# KiCad board panel.kicad_pcb (continued)
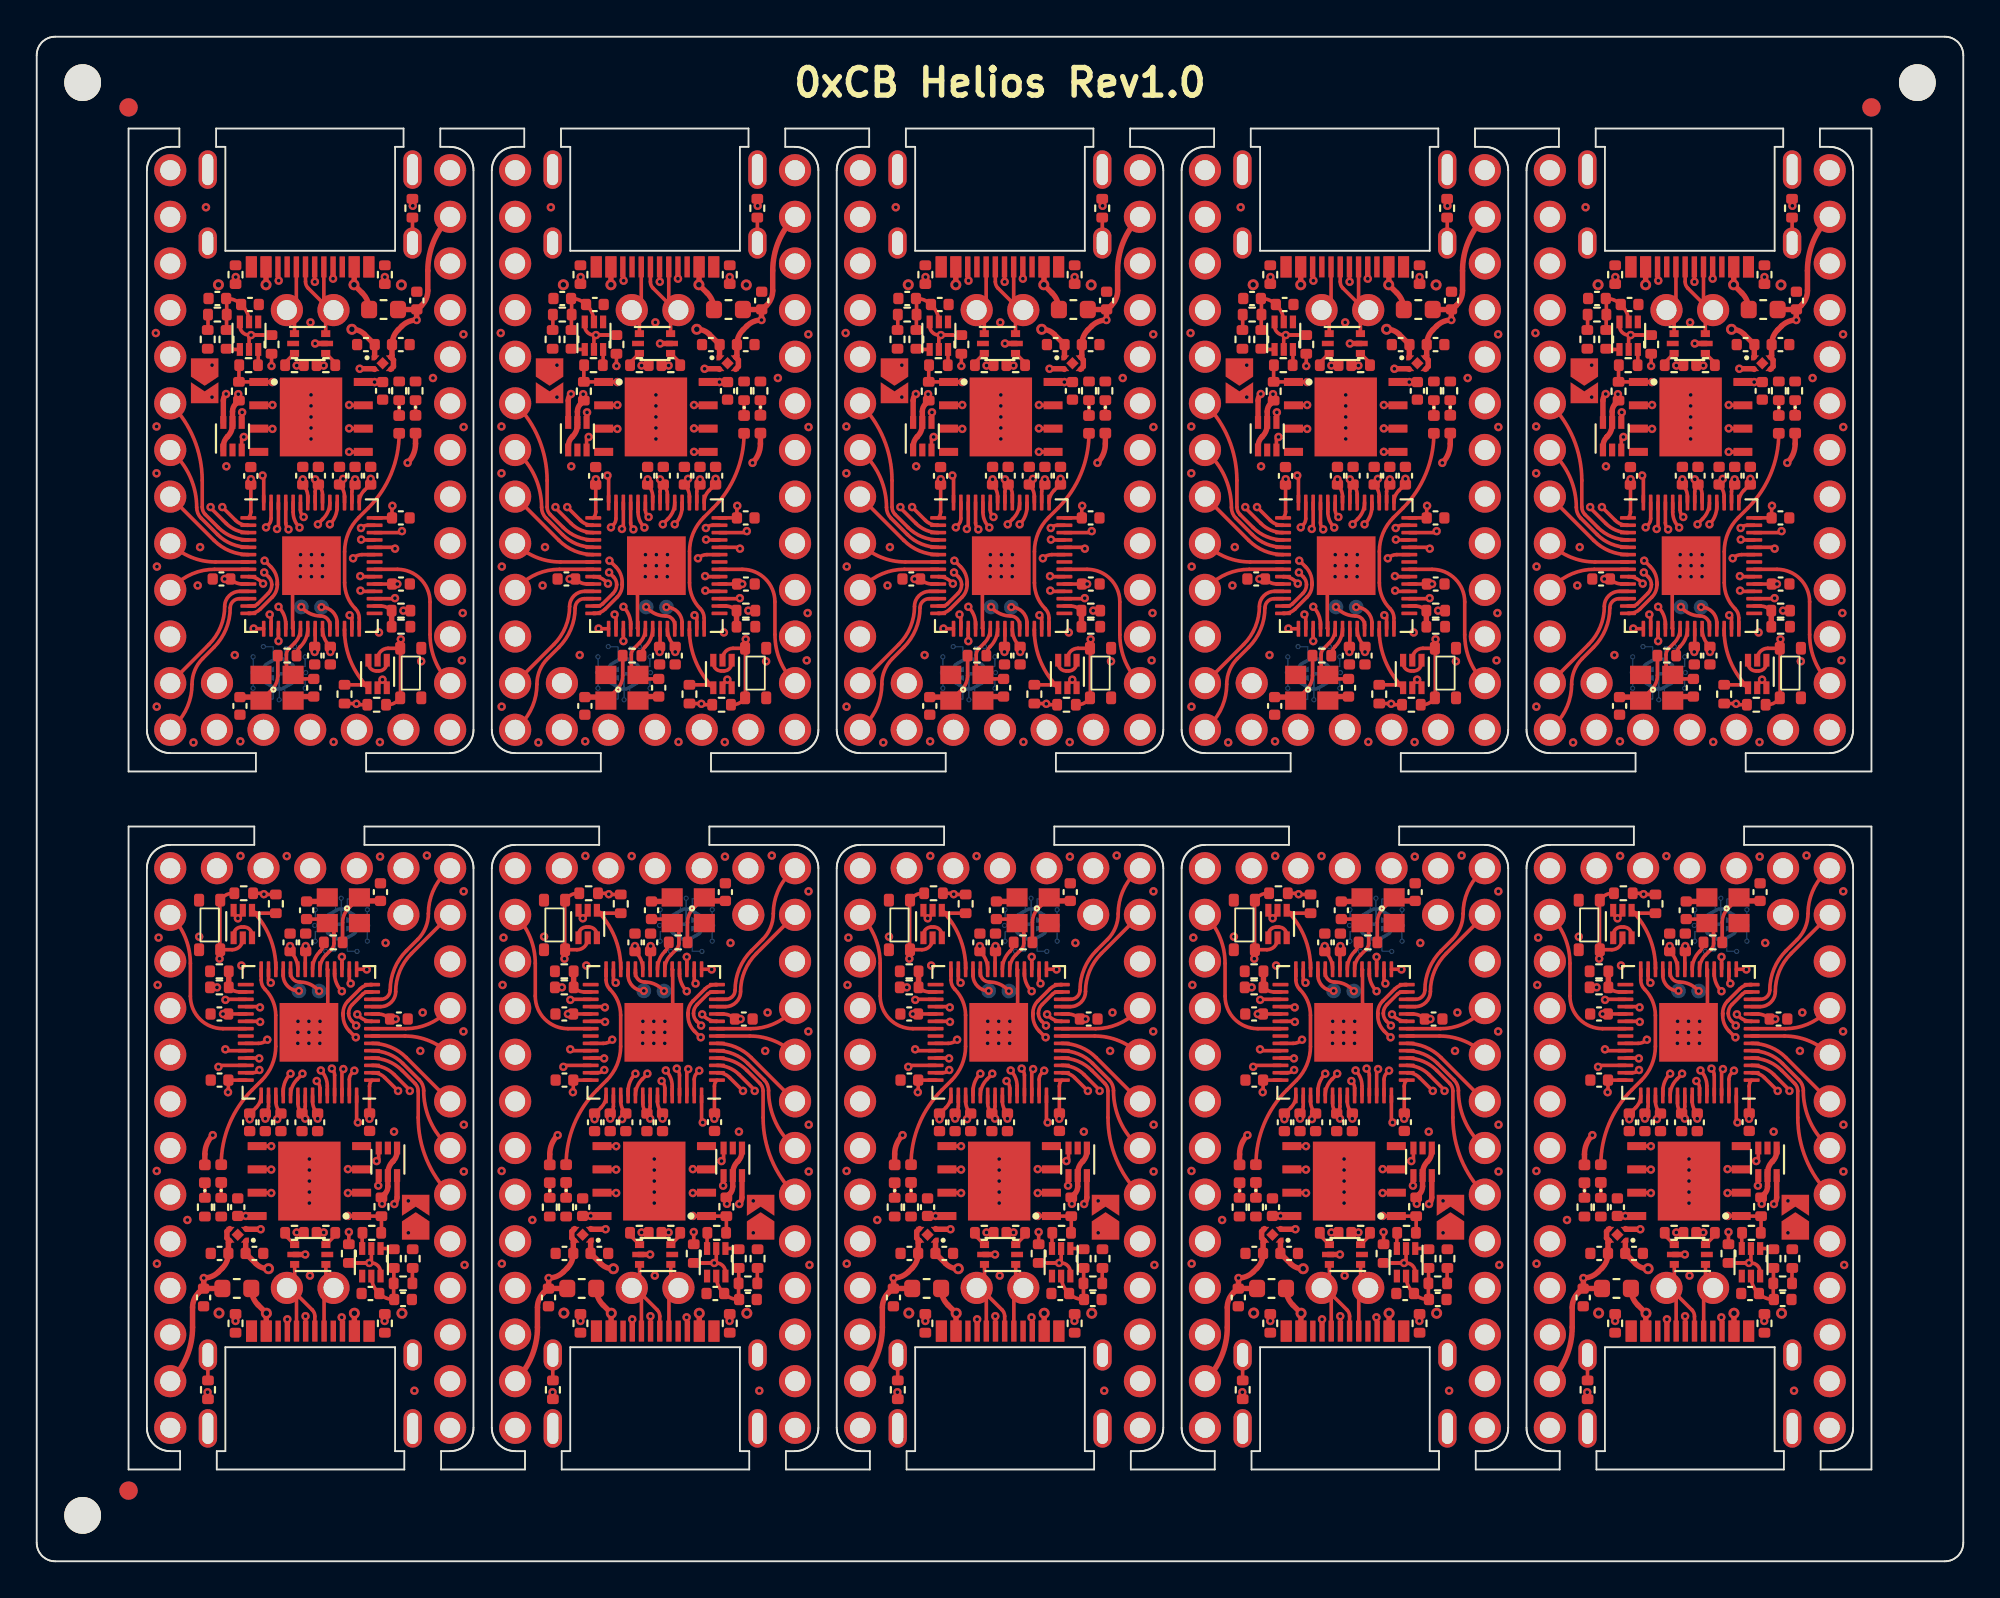
[diagram p0: board, top side]
## Copper pours and planes (outline as drawn; the poured copper is in the pictures) (continued)
Board_2-/0_TX0 on In1.Cu: 45.64,71.65 45.55,71.82 45.49,71.98 45.47,72.12 45.47,72.26 45.5,72.38 45.54,72.51 45.58,72.65 45.63,72.8 45.67,72.96 45.7,73.15 44.68,73.64 44.22,72.6 44.37,72.46 44.51,72.36 44.64,72.28 44.88,72.14 44.99,72.06 45.11,71.97 45.23,71.86 45.35,71.72 45.48,71.54
Board_2-/1_RX0 on In1.Cu: 45.83,69.24 45.77,69.45 45.74,69.64 45.72,69.8 45.72,69.95 45.72,70.08 45.73,70.22 45.74,70.36 45.74,70.51 45.72,70.68 45.69,70.88 44.56,71.03 44.45,69.9 44.61,69.83 44.76,69.79 44.91,69.75 45.05,69.72 45.17,69.69 45.29,69.64 45.39,69.57 45.49,69.48 45.57,69.35 45.64,69.17
Board_2-/2_SDA1 on Top: 45.96,61.71 45.86,61.91 45.8,62.08 45.77,62.24 45.75,62.38 45.75,62.51 45.75,62.64 45.75,62.78 45.74,62.93 45.72,63.1 45.68,63.3 44.54,63.4 44.48,62.27 44.65,62.2 44.81,62.16 44.96,62.13 45.1,62.11 45.23,62.09 45.35,62.05 45.46,61.99 45.57,61.91 45.68,61.78 45.78,61.62
Board_2-/3_SCL1 on Top: 45.97,59.18 45.89,59.38 45.83,59.56 45.79,59.71 45.77,59.85 45.77,59.99 45.76,60.12 45.76,60.26 45.75,60.4 45.72,60.57 45.67,60.76 44.54,60.86 44.49,59.72 44.66,59.66 44.82,59.62 44.97,59.6 45.11,59.58 45.25,59.56 45.37,59.53 45.49,59.47 45.6,59.39 45.7,59.26 45.79,59.09
Board_2-/4 on Top: 46.14,56.83 46,56.98 45.9,57.12 45.84,57.26 45.8,57.39 45.78,57.51 45.77,57.65 45.76,57.78 45.74,57.93 45.71,58.1 45.66,58.28 44.52,58.3 44.54,57.16 44.72,57.11 44.89,57.08 45.04,57.06 45.17,57.05 45.31,57.04 45.43,57.02 45.56,56.98 45.7,56.92 45.84,56.82 45.99,56.68
Board_2-/5 on Top: 46.35,54.66 46.18,54.73 46.05,54.81 45.95,54.9 45.88,55 45.84,55.12 45.8,55.24 45.77,55.38 45.73,55.52 45.68,55.68 45.62,55.84 44.48,55.72 44.65,54.59 44.85,54.56 45.02,54.54 45.17,54.54 45.31,54.55 45.44,54.56 45.58,54.57 45.73,54.57 45.89,54.56 46.08,54.53 46.3,54.47
Board_2-/6 on Top: 46.24,53.97 46.03,53.91 45.84,53.87 45.68,53.85 45.54,53.84 45.41,53.84 45.27,53.84 45.14,53.83 44.99,53.82 44.82,53.8 44.62,53.76 44.49,52.63 45.63,52.55 45.69,52.71 45.73,52.87 45.76,53.02 45.79,53.16 45.81,53.3 45.85,53.42 45.91,53.53 46,53.62 46.13,53.71 46.31,53.78
Board_2-/7 on In2.Cu: 46.52,50.76 46.33,50.7 46.17,50.69 46.04,50.7 45.91,50.74 45.8,50.8 45.69,50.87 45.58,50.95 45.45,51.03 45.31,51.11 45.14,51.19 44.39,50.33 45.28,49.62 45.44,49.72 45.58,49.83 45.69,49.93 45.78,50.03 45.88,50.13 45.97,50.22 46.08,50.31 46.22,50.4 46.38,50.49 46.59,50.57
Board_2-/8 on Top: 45.99,49.14 45.84,49 45.7,48.9 45.56,48.84 45.43,48.8 45.31,48.78 45.17,48.77 45.04,48.76 44.89,48.74 44.72,48.71 44.54,48.66 44.52,47.52 45.66,47.54 45.71,47.72 45.74,47.89 45.76,48.04 45.77,48.17 45.78,48.31 45.8,48.43 45.84,48.56 45.9,48.7 46,48.84 46.14,48.99
Board_2-/9 on Top: 45.74,46.75 45.66,46.57 45.57,46.45 45.47,46.36 45.36,46.3 45.23,46.26 45.1,46.24 44.96,46.22 44.81,46.19 44.65,46.15 44.48,46.09 44.55,44.96 45.68,45.07 45.72,45.26 45.75,45.43 45.76,45.58 45.77,45.72 45.77,45.85 45.77,45.98 45.79,46.13 45.81,46.29 45.86,46.47 45.93,46.68
Board_2-/10 on In2.Cu: 45.88,74.35 45.8,74.56 45.76,74.74 45.74,74.9 45.73,75.04 45.73,75.18 45.74,75.31 45.74,75.45 45.74,75.6 45.72,75.77 45.68,75.97 44.55,76.11 44.46,74.98 44.62,74.91 44.78,74.86 44.93,74.83 45.06,74.8 45.19,74.77 45.31,74.73 45.42,74.67 45.52,74.57 45.61,74.45 45.69,74.27
Board_2-/11 on In1.Cu: 59.22,74.27 59.3,74.44 59.39,74.57 59.49,74.66 59.59,74.73 59.71,74.77 59.84,74.8 59.98,74.83 60.12,74.86 60.28,74.91 60.44,74.98 60.35,76.11 59.22,75.97 59.18,75.77 59.16,75.6 59.16,75.45 59.16,75.31 59.17,75.18 59.17,75.04 59.17,74.9 59.15,74.74 59.1,74.55 59.03,74.34
Board_2-/12 on In1.Cu: 48.35,46.73 48.24,46.56 48.13,46.44 48.02,46.36 47.9,46.31 47.78,46.27 47.65,46.25 47.51,46.23 47.36,46.2 47.2,46.16 47.03,46.1 47.08,44.96 48.21,45.06 48.26,45.25 48.28,45.42 48.29,45.57 48.29,45.84 48.3,45.97 48.32,46.11 48.36,46.26 48.42,46.43 48.53,46.63
Board_2-/13 on In1.Cu: 49.81,47.04 49.8,46.83 49.77,46.66 49.72,46.52 49.65,46.4 49.58,46.3 49.49,46.2 49.4,46.09 49.31,45.97 49.21,45.84 49.12,45.67 49.91,44.85 50.7,45.67 50.61,45.84 50.51,45.97 50.42,46.09 50.33,46.2 50.24,46.3 50.17,46.4 50.1,46.52 50.05,46.66 50.02,46.83 50.01,47.04
Board_2-/14 on In1.Cu: 51.32,46.65 51.42,46.45 51.48,46.28 51.51,46.12 51.53,45.98 51.54,45.85 51.53,45.72 51.53,45.58 51.54,45.43 51.56,45.26 51.6,45.06 52.74,44.96 52.8,46.09 52.63,46.16 52.47,46.2 52.32,46.23 52.18,46.25 52.05,46.27 51.93,46.31 51.82,46.37 51.71,46.45 51.6,46.58 51.5,46.74
Board_2-/15 on In1.Cu: 53.68,46.45 53.82,46.3 53.92,46.16 53.98,46.02 54.02,45.89 54.04,45.77 54.05,45.63 54.06,45.5 54.08,45.35 54.11,45.18 54.16,45 55.3,44.98 55.28,46.12 55.1,46.17 54.93,46.2 54.78,46.22 54.65,46.23 54.51,46.24 54.39,46.26 54.26,46.3 54.12,46.36 53.98,46.46 53.83,46.6
Board_2-/16 on In1.Cu: 56.24,46.51 56.37,46.34 56.46,46.18 56.52,46.04 56.55,45.9 56.57,45.77 56.58,45.64 56.59,45.5 56.61,45.36 56.65,45.19 56.7,45 57.84,44.98 57.82,46.12 57.64,46.17 57.47,46.2 57.32,46.21 57.18,46.22 57.05,46.24 56.92,46.26 56.79,46.3 56.67,46.37 56.54,46.48 56.4,46.63
Board_2-/20_SDI on In1.Cu: 58.76,51.53 58.9,51.38 59,51.24 59.06,51.1 59.1,50.97 59.12,50.85 59.13,50.71 59.14,50.58 59.16,50.43 59.19,50.26 59.24,50.08 60.38,50.06 60.36,51.2 60.18,51.25 60.01,51.28 59.86,51.3 59.73,51.31 59.59,51.32 59.47,51.34 59.34,51.38 59.2,51.44 59.06,51.54 58.91,51.68
Board_2-/21_CS on In1.Cu: 58.76,46.45 58.9,46.3 59,46.16 59.06,46.02 59.1,45.89 59.12,45.77 59.13,45.63 59.14,45.5 59.16,45.35 59.19,45.18 59.24,45 60.38,44.98 60.36,46.12 60.18,46.17 60.01,46.2 59.86,46.22 59.73,46.23 59.59,46.24 59.47,46.26 59.34,46.3 59.2,46.36 59.06,46.46 58.91,46.6
Board_2-/22_SCK on In1.Cu: 58.51,53.58 58.69,53.54 58.82,53.48 58.92,53.4 58.99,53.31 59.05,53.2 59.09,53.08 59.13,52.94 59.17,52.8 59.23,52.65 59.3,52.49 60.43,52.65 60.19,53.78 59.99,53.8 59.82,53.81 59.67,53.8 59.53,53.79 59.26,53.76 59.12,53.75 58.95,53.74 58.76,53.75 58.54,53.78
Board_2-/23_SDO on Top: 59.06,49.28 59.13,49.07 59.16,48.88 59.18,48.72 59.18,48.57 59.18,48.44 59.17,48.3 59.16,48.16 59.16,48.01 59.18,47.84 59.21,47.64 60.34,47.49 60.45,48.62 60.29,48.69 60.13,48.73 59.99,48.77 59.85,48.8 59.73,48.83 59.61,48.88 59.5,48.95 59.41,49.04 59.33,49.17 59.25,49.34
Board_2-/A0 on In1.Cu: 58.36,55.06 58.59,55.04 58.78,55.01 58.94,54.97 59.08,54.91 59.2,54.85 59.33,54.78 59.46,54.72 59.6,54.66 59.77,54.61 59.97,54.58 60.48,55.6 59.45,56.07 59.33,55.94 59.24,55.82 59.08,55.6 59,55.5 58.91,55.42 58.81,55.35 58.69,55.3 58.55,55.27 58.36,55.26
Board_2-/A1 on In1.Cu: 58.91,56.68 59.06,56.82 59.2,56.92 59.34,56.98 59.47,57.02 59.59,57.04 59.73,57.05 59.86,57.06 60.01,57.08 60.18,57.11 60.36,57.16 60.38,58.3 59.24,58.28 59.19,58.1 59.16,57.93 59.14,57.78 59.13,57.65 59.12,57.51 59.1,57.39 59.06,57.26 59,57.12 58.9,56.98 58.76,56.83
Board_2-/A2 on In1.Cu: 58.91,59.22 59.06,59.36 59.2,59.46 59.34,59.52 59.47,59.56 59.59,59.58 59.73,59.59 59.86,59.6 60.01,59.62 60.18,59.65 60.36,59.7 60.38,60.84 59.24,60.82 59.19,60.64 59.16,60.47 59.14,60.32 59.13,60.19 59.12,60.05 59.1,59.93 59.06,59.8 59,59.66 58.9,59.52 58.76,59.37
Board_2-/A3 on In1.Cu: 58.92,61.42 58.97,61.64 59.05,61.8 59.15,61.91 59.27,61.99 59.42,62.05 59.58,62.08 59.76,62.11 59.95,62.14 60.15,62.18 60.36,62.24 60.38,63.38 59.2,63.19 59.16,62.98 59.12,62.79 59.07,62.64 59.02,62.49 58.97,62.36 58.91,62.22 58.86,62.07 58.81,61.9 58.76,61.69 58.72,61.45
Board_2-/PORT+ on Top: 51.59,69.74 51.58,69.58 51.55,69.46 51.5,69.35 51.43,69.27 51.35,69.2 51.25,69.15 51.14,69.1 51.02,69.04 50.9,68.99 50.76,68.92 50.92,67.79 52.06,68.15 52.05,68.35 52.03,68.51 52,68.66 51.96,68.79 51.93,68.91 51.89,69.04 51.85,69.18 51.82,69.33 51.8,69.52 51.8,69.74
Board_2-/PORT+ on Top: 51.69,66.87 51.7,67 51.71,67.12 51.73,67.22 51.76,67.32 51.79,67.4 51.82,67.48 51.86,67.55 51.96,67.75 50.97,68.54 51.08,67.28 51.13,67.27 51.18,67.26 51.24,67.24 51.29,67.21 51.34,67.18 51.39,67.13 51.43,67.08 51.47,67.02 51.49,66.95 51.5,66.87
Board_2-/PORT+ on In1.Cu: 52.43,69.38 52.28,69.24 52.14,69.15 52.01,69.09 51.89,69.06 51.76,69.05 51.63,69.05 51.5,69.05 51.35,69.05 51.19,69.04 51,69.01 50.83,67.88 51.96,67.76 52.04,67.94 52.09,68.1 52.13,68.25 52.18,68.52 52.21,68.65 52.25,68.79 52.32,68.93 52.43,69.07 52.57,69.24
Board_2-/PORT- on Top: 53.39,66.87 53.4,66.95 53.42,67.02 53.46,67.08 53.5,67.13 53.55,67.18 53.6,67.21 53.66,67.24 53.71,67.26 53.76,67.27 53.81,67.28 53.93,68.53 52.94,67.76 53.04,67.56 53.07,67.49 53.11,67.41 53.13,67.32 53.16,67.22 53.18,67.12 53.19,67 53.19,66.87
Board_2-/PORT- on Top: 53.09,69.73 53.09,69.51 53.07,69.33 53.04,69.17 53.01,69.03 52.97,68.91 52.93,68.78 52.9,68.65 52.87,68.51 52.85,68.35 52.84,68.15 53.98,67.8 54.12,68.93 53.99,68.99 53.86,69.05 53.74,69.1 53.64,69.15 53.54,69.2 53.46,69.27 53.39,69.35 53.34,69.45 53.31,69.57 53.3,69.73
Board_2-/PORT- on Top: 52.32,69.22 52.47,69.06 52.57,68.91 52.64,68.77 52.69,68.64 52.72,68.51 52.77,68.23 52.81,68.08 52.86,67.92 52.94,67.74 54.07,67.89 53.88,69.01 53.7,69.04 53.54,69.04 53.39,69.04 53.26,69.04 53.13,69.04 53,69.05 52.88,69.08 52.75,69.14 52.61,69.23 52.46,69.36
Board_2-/RESET on In2.Cu: 59.15,66.68 59.24,66.85 59.34,66.98 59.45,67.06 59.56,67.12 59.68,67.16 59.81,67.19 59.95,67.21 60.1,67.24 60.26,67.28 60.43,67.35 60.35,68.48 59.22,68.37 59.18,68.17 59.16,68 59.15,67.85 59.16,67.71 59.16,67.58 59.16,67.45 59.14,67.3 59.11,67.15 59.05,66.97 58.97,66.77
Board_2-/RGB_5V on In2.Cu: 47.66,49.57 47.56,49.37 47.46,49.21 47.36,49.09 47.26,48.98 47.16,48.89 47.06,48.8 46.96,48.7 46.85,48.59 46.75,48.46 46.63,48.29 47.33,47.39 48.2,48.12 48.13,48.29 48.05,48.43 47.97,48.56 47.9,48.68 47.83,48.79 47.78,48.9 47.75,49.02 47.74,49.16 47.77,49.31 47.84,49.49
Board_2-GND on Top, Bottom: 40.28,81.23 64.78,81.23 64.78,41.73 40.28,41.73
Board_2-Net-(C8-Pad2) on Top: 48.8,46.92 48.9,46.92 48.98,46.9 49.05,46.88 49.11,46.85 49.16,46.82 49.2,46.77 49.25,46.72 49.34,46.61 49.4,46.54 50,46.79 49.74,47.38 49.62,47.37 49.53,47.35 49.44,47.33 49.37,47.31 49.29,47.29 49.22,47.27 49.13,47.25 49.04,47.23 48.93,47.22 48.8,47.22
Board_2-Net-(C8-Pad2) on Top: 50.53,47.93 50.48,47.79 50.41,47.69 50.34,47.61 50.26,47.55 50.17,47.51 50.08,47.47 49.97,47.45 49.86,47.42 49.74,47.39 49.61,47.35 49.59,46.7 50.24,46.72 50.29,46.86 50.34,46.98 50.39,47.08 50.43,47.18 50.52,47.36 50.56,47.46 50.61,47.57 50.67,47.7 50.72,47.87
Board_2-Net-(FB1-Pad1) on Top: 57.92,72.79 57.91,72.68 57.9,72.58 57.87,72.5 57.84,72.43 57.81,72.37 57.76,72.31 57.72,72.25 57.67,72.19 57.62,72.11 57.57,72.02 58.02,71.55 58.47,72.02 58.42,72.11 58.37,72.19 58.32,72.25 58.28,72.31 58.23,72.37 58.2,72.43 58.17,72.5 58.14,72.58 58.13,72.68 58.12,72.79
Board_3-+3V3 on In1.Cu, In2.Cu: 58.06,80.23 82.56,80.23 82.56,40.73 58.06,40.73
Board_3-+5V on Top: 78.04,71.71 78.12,71.88 78.21,72.01 78.3,72.11 78.41,72.17 78.52,72.22 78.64,72.26 78.77,72.29 78.91,72.32 79.06,72.37 79.22,72.44 79.13,73.57 78,73.43 77.96,73.23 77.94,73.07 77.93,72.92 77.93,72.78 77.93,72.65 77.92,72.51 77.91,72.37 77.88,72.21 77.84,72.03 77.76,71.82
Board_3-/0_TX0 on In1.Cu: 64.42,71.65 64.33,71.82 64.27,71.98 64.25,72.12 64.25,72.26 64.28,72.38 64.32,72.51 64.36,72.65 64.41,72.8 64.45,72.96 64.48,73.15 63.46,73.64 63,72.6 63.15,72.46 63.29,72.36 63.42,72.28 63.66,72.14 63.77,72.06 63.89,71.97 64.01,71.86 64.13,71.72 64.26,71.54
Board_3-/1_RX0 on In1.Cu: 64.61,69.24 64.55,69.45 64.52,69.64 64.5,69.8 64.5,69.95 64.5,70.08 64.51,70.22 64.52,70.36 64.52,70.51 64.5,70.68 64.47,70.88 63.34,71.03 63.23,69.9 63.39,69.83 63.54,69.79 63.69,69.75 63.83,69.72 63.95,69.69 64.07,69.64 64.17,69.57 64.27,69.48 64.35,69.35 64.42,69.17
Board_3-/2_SDA1 on Top: 64.74,61.71 64.64,61.91 64.58,62.08 64.55,62.24 64.53,62.38 64.53,62.51 64.53,62.64 64.53,62.78 64.52,62.93 64.5,63.1 64.46,63.3 63.32,63.4 63.26,62.27 63.43,62.2 63.59,62.16 63.74,62.13 63.88,62.11 64.01,62.09 64.13,62.05 64.24,61.99 64.35,61.91 64.46,61.78 64.56,61.62
Board_3-/3_SCL1 on Top: 64.75,59.18 64.67,59.38 64.61,59.56 64.57,59.71 64.55,59.85 64.55,59.99 64.54,60.12 64.54,60.26 64.53,60.4 64.5,60.57 64.45,60.76 63.32,60.86 63.27,59.72 63.44,59.66 63.6,59.62 63.75,59.6 63.89,59.58 64.03,59.56 64.15,59.53 64.27,59.47 64.38,59.39 64.48,59.26 64.57,59.09
Board_3-/4 on Top: 64.92,56.83 64.78,56.98 64.68,57.12 64.62,57.26 64.58,57.39 64.56,57.51 64.55,57.65 64.54,57.78 64.52,57.93 64.49,58.1 64.44,58.28 63.3,58.3 63.32,57.16 63.5,57.11 63.67,57.08 63.82,57.06 63.95,57.05 64.09,57.04 64.21,57.02 64.34,56.98 64.48,56.92 64.62,56.82 64.77,56.68
Board_3-/5 on Top: 65.13,54.66 64.96,54.73 64.83,54.81 64.73,54.9 64.66,55 64.62,55.12 64.58,55.24 64.55,55.38 64.51,55.52 64.46,55.68 64.4,55.84 63.26,55.72 63.43,54.59 63.63,54.56 63.8,54.54 63.95,54.54 64.09,54.55 64.22,54.56 64.36,54.57 64.51,54.57 64.67,54.56 64.86,54.53 65.08,54.47
Board_3-/6 on Top: 65.02,53.97 64.81,53.91 64.62,53.87 64.46,53.85 64.32,53.84 64.19,53.84 64.05,53.84 63.92,53.83 63.77,53.82 63.6,53.8 63.4,53.76 63.27,52.63 64.41,52.55 64.47,52.71 64.51,52.87 64.54,53.02 64.57,53.16 64.59,53.3 64.63,53.42 64.69,53.53 64.78,53.62 64.91,53.71 65.09,53.78
Board_3-/7 on In2.Cu: 65.3,50.76 65.11,50.7 64.95,50.69 64.82,50.7 64.69,50.74 64.58,50.8 64.47,50.87 64.36,50.95 64.23,51.03 64.09,51.11 63.92,51.19 63.17,50.33 64.06,49.62 64.22,49.72 64.36,49.83 64.47,49.93 64.56,50.03 64.66,50.13 64.75,50.22 64.86,50.31 65,50.4 65.16,50.49 65.37,50.57
Board_3-/8 on Top: 64.77,49.14 64.62,49 64.48,48.9 64.34,48.84 64.21,48.8 64.09,48.78 63.95,48.77 63.82,48.76 63.67,48.74 63.5,48.71 63.32,48.66 63.3,47.52 64.44,47.54 64.49,47.72 64.52,47.89 64.54,48.04 64.55,48.17 64.56,48.31 64.58,48.43 64.62,48.56 64.68,48.7 64.78,48.84 64.92,48.99
Board_3-/9 on Top: 64.52,46.75 64.44,46.57 64.35,46.45 64.25,46.36 64.14,46.3 64.01,46.26 63.88,46.24 63.74,46.22 63.59,46.19 63.43,46.15 63.26,46.09 63.33,44.96 64.46,45.07 64.5,45.26 64.53,45.43 64.54,45.58 64.55,45.72 64.55,45.85 64.55,45.98 64.57,46.13 64.59,46.29 64.64,46.47 64.71,46.68
Board_3-/10 on In2.Cu: 64.66,74.35 64.58,74.56 64.54,74.74 64.52,74.9 64.51,75.04 64.51,75.18 64.52,75.31 64.52,75.45 64.52,75.6 64.5,75.77 64.46,75.97 63.33,76.11 63.24,74.98 63.4,74.91 63.56,74.86 63.71,74.83 63.84,74.8 63.97,74.77 64.09,74.73 64.2,74.67 64.3,74.57 64.39,74.45 64.47,74.27
Board_3-/11 on In1.Cu: 78,74.27 78.08,74.44 78.17,74.57 78.27,74.66 78.37,74.73 78.49,74.77 78.62,74.8 78.76,74.83 78.9,74.86 79.06,74.91 79.22,74.98 79.13,76.11 78,75.97 77.96,75.77 77.94,75.6 77.94,75.45 77.94,75.31 77.95,75.18 77.95,75.04 77.95,74.9 77.93,74.74 77.88,74.55 77.81,74.34
Board_3-/12 on In1.Cu: 67.13,46.73 67.02,46.56 66.91,46.44 66.8,46.36 66.68,46.31 66.56,46.27 66.43,46.25 66.29,46.23 66.14,46.2 65.98,46.16 65.81,46.1 65.86,44.96 66.99,45.06 67.04,45.25 67.06,45.42 67.07,45.57 67.07,45.84 67.08,45.97 67.1,46.11 67.14,46.26 67.2,46.43 67.31,46.63
Board_3-/13 on In1.Cu: 68.59,47.04 68.58,46.83 68.55,46.66 68.5,46.52 68.43,46.4 68.36,46.3 68.27,46.2 68.18,46.09 68.09,45.97 67.99,45.84 67.9,45.67 68.69,44.85 69.48,45.67 69.39,45.84 69.29,45.97 69.2,46.09 69.11,46.2 69.02,46.3 68.95,46.4 68.88,46.52 68.83,46.66 68.8,46.83 68.79,47.04
Board_3-/14 on In1.Cu: 70.1,46.65 70.2,46.45 70.26,46.28 70.29,46.12 70.31,45.98 70.32,45.85 70.31,45.72 70.31,45.58 70.32,45.43 70.34,45.26 70.38,45.06 71.52,44.96 71.58,46.09 71.41,46.16 71.25,46.2 71.1,46.23 70.96,46.25 70.83,46.27 70.71,46.31 70.6,46.37 70.49,46.45 70.38,46.58 70.28,46.74
Board_3-/15 on In1.Cu: 72.46,46.45 72.6,46.3 72.7,46.16 72.76,46.02 72.8,45.89 72.82,45.77 72.83,45.63 72.84,45.5 72.86,45.35 72.89,45.18 72.94,45 74.08,44.98 74.06,46.12 73.88,46.17 73.71,46.2 73.56,46.22 73.43,46.23 73.29,46.24 73.17,46.26 73.04,46.3 72.9,46.36 72.76,46.46 72.61,46.6
Board_3-/16 on In1.Cu: 75.02,46.51 75.15,46.34 75.24,46.18 75.3,46.04 75.33,45.9 75.35,45.77 75.36,45.64 75.37,45.5 75.39,45.36 75.43,45.19 75.48,45 76.62,44.98 76.6,46.12 76.42,46.17 76.25,46.2 76.1,46.21 75.96,46.22 75.83,46.24 75.7,46.26 75.57,46.3 75.45,46.37 75.32,46.48 75.18,46.63
Board_3-/20_SDI on In1.Cu: 77.54,51.53 77.68,51.38 77.78,51.24 77.84,51.1 77.88,50.97 77.9,50.85 77.91,50.71 77.92,50.58 77.94,50.43 77.97,50.26 78.02,50.08 79.16,50.06 79.14,51.2 78.96,51.25 78.79,51.28 78.64,51.3 78.51,51.31 78.37,51.32 78.25,51.34 78.12,51.38 77.98,51.44 77.84,51.54 77.69,51.68
Board_3-/21_CS on In1.Cu: 77.54,46.45 77.68,46.3 77.78,46.16 77.84,46.02 77.88,45.89 77.9,45.77 77.91,45.63 77.92,45.5 77.94,45.35 77.97,45.18 78.02,45 79.16,44.98 79.14,46.12 78.96,46.17 78.79,46.2 78.64,46.22 78.51,46.23 78.37,46.24 78.25,46.26 78.12,46.3 77.98,46.36 77.84,46.46 77.69,46.6
Board_3-/22_SCK on In1.Cu: 77.29,53.58 77.47,53.54 77.6,53.48 77.7,53.4 77.77,53.31 77.83,53.2 77.87,53.08 77.91,52.94 77.95,52.8 78.01,52.65 78.08,52.49 79.21,52.65 78.97,53.78 78.77,53.8 78.6,53.81 78.45,53.8 78.31,53.79 78.04,53.76 77.9,53.75 77.73,53.74 77.54,53.75 77.32,53.78
Board_3-/23_SDO on Top: 77.84,49.28 77.91,49.07 77.94,48.88 77.96,48.72 77.96,48.57 77.96,48.44 77.95,48.3 77.94,48.16 77.94,48.01 77.96,47.84 77.99,47.64 79.12,47.49 79.23,48.62 79.07,48.69 78.91,48.73 78.77,48.77 78.63,48.8 78.51,48.83 78.39,48.88 78.28,48.95 78.19,49.04 78.11,49.17 78.03,49.34
Board_3-/A0 on In1.Cu: 77.14,55.06 77.37,55.04 77.56,55.01 77.72,54.97 77.86,54.91 77.98,54.85 78.11,54.78 78.24,54.72 78.38,54.66 78.55,54.61 78.75,54.58 79.26,55.6 78.23,56.07 78.11,55.94 78.02,55.82 77.86,55.6 77.78,55.5 77.69,55.42 77.59,55.35 77.47,55.3 77.33,55.27 77.14,55.26
Board_3-/A1 on In1.Cu: 77.69,56.68 77.84,56.82 77.98,56.92 78.12,56.98 78.25,57.02 78.37,57.04 78.51,57.05 78.64,57.06 78.79,57.08 78.96,57.11 79.14,57.16 79.16,58.3 78.02,58.28 77.97,58.1 77.94,57.93 77.92,57.78 77.91,57.65 77.9,57.51 77.88,57.39 77.84,57.26 77.78,57.12 77.68,56.98 77.54,56.83
Board_3-/A2 on In1.Cu: 77.69,59.22 77.84,59.36 77.98,59.46 78.12,59.52 78.25,59.56 78.37,59.58 78.51,59.59 78.64,59.6 78.79,59.62 78.96,59.65 79.14,59.7 79.16,60.84 78.02,60.82 77.97,60.64 77.94,60.47 77.92,60.32 77.91,60.19 77.9,60.05 77.88,59.93 77.84,59.8 77.78,59.66 77.68,59.52 77.54,59.37
Board_3-/A3 on In1.Cu: 77.7,61.42 77.75,61.64 77.83,61.8 77.93,61.91 78.05,61.99 78.2,62.05 78.36,62.08 78.54,62.11 78.73,62.14 78.93,62.18 79.14,62.24 79.16,63.38 77.98,63.19 77.94,62.98 77.9,62.79 77.85,62.64 77.8,62.49 77.75,62.36 77.69,62.22 77.64,62.07 77.59,61.9 77.54,61.69 77.5,61.45
Board_3-/PORT+ on Top: 70.47,66.87 70.48,67 70.49,67.12 70.51,67.22 70.54,67.32 70.57,67.4 70.6,67.48 70.64,67.55 70.74,67.75 69.75,68.54 69.86,67.28 69.91,67.27 69.96,67.26 70.02,67.24 70.07,67.21 70.12,67.18 70.17,67.13 70.21,67.08 70.25,67.02 70.27,66.95 70.28,66.87
Board_3-/PORT+ on Top: 70.38,69.74 70.36,69.58 70.33,69.46 70.28,69.35 70.21,69.27 70.13,69.2 70.03,69.15 69.92,69.1 69.8,69.04 69.68,68.99 69.54,68.92 69.7,67.79 70.84,68.15 70.83,68.35 70.81,68.51 70.78,68.66 70.74,68.79 70.71,68.91 70.67,69.04 70.63,69.18 70.6,69.33 70.58,69.52 70.58,69.74
Board_3-/PORT+ on In1.Cu: 71.21,69.38 71.06,69.24 70.92,69.15 70.79,69.09 70.67,69.06 70.54,69.05 70.41,69.05 70.28,69.05 70.13,69.05 69.97,69.04 69.78,69.01 69.61,67.88 70.74,67.76 70.82,67.94 70.87,68.1 70.91,68.25 70.96,68.52 70.99,68.65 71.03,68.79 71.1,68.93 71.21,69.07 71.35,69.24
Board_3-/PORT- on Top: 71.1,69.22 71.25,69.06 71.35,68.91 71.42,68.77 71.47,68.64 71.5,68.51 71.55,68.23 71.59,68.08 71.64,67.92 71.72,67.74 72.85,67.89 72.66,69.01 72.48,69.04 72.32,69.04 72.17,69.04 72.04,69.04 71.91,69.04 71.78,69.05 71.66,69.08 71.53,69.14 71.39,69.23 71.24,69.36
Board_3-/PORT- on Top: 71.88,69.73 71.87,69.51 71.85,69.33 71.82,69.17 71.79,69.03 71.75,68.91 71.71,68.78 71.68,68.65 71.65,68.51 71.63,68.35 71.62,68.15 72.76,67.8 72.9,68.93 72.77,68.99 72.64,69.05 72.52,69.1 72.42,69.15 72.32,69.2 72.24,69.27 72.17,69.35 72.12,69.45 72.09,69.57 72.08,69.73
Board_3-/PORT- on Top: 72.17,66.87 72.18,66.95 72.2,67.02 72.24,67.08 72.28,67.13 72.33,67.18 72.38,67.21 72.44,67.24 72.49,67.26 72.54,67.27 72.59,67.28 72.71,68.53 71.72,67.76 71.82,67.56 71.85,67.49 71.89,67.41 71.91,67.32 71.94,67.22 71.96,67.12 71.97,67 71.97,66.87
Board_3-/RESET on In2.Cu: 77.93,66.68 78.02,66.85 78.12,66.98 78.23,67.06 78.34,67.12 78.46,67.16 78.59,67.19 78.73,67.21 78.88,67.24 79.04,67.28 79.21,67.35 79.13,68.48 78,68.37 77.96,68.17 77.94,68 77.93,67.85 77.94,67.71 77.94,67.58 77.94,67.45 77.92,67.3 77.89,67.15 77.83,66.97 77.75,66.77
Board_3-/RGB_5V on In2.Cu: 66.44,49.57 66.34,49.37 66.24,49.21 66.14,49.09 66.04,48.98 65.94,48.89 65.84,48.8 65.74,48.7 65.63,48.59 65.53,48.46 65.41,48.29 66.11,47.39 66.98,48.12 66.91,48.29 66.83,48.43 66.75,48.56 66.68,48.68 66.61,48.79 66.56,48.9 66.53,49.02 66.52,49.16 66.55,49.31 66.62,49.49
Board_3-GND on Top, Bottom: 59.06,81.23 83.56,81.23 83.56,41.73 59.06,41.73
Board_3-Net-(C8-Pad2) on Top: 67.58,46.92 67.68,46.92 67.76,46.9 67.83,46.88 67.89,46.85 67.94,46.82 67.98,46.77 68.03,46.72 68.12,46.61 68.18,46.54 68.78,46.79 68.52,47.38 68.4,47.37 68.31,47.35 68.22,47.33 68.15,47.31 68.07,47.29 68,47.27 67.91,47.25 67.82,47.23 67.71,47.22 67.58,47.22
Board_3-Net-(C8-Pad2) on Top: 69.31,47.93 69.26,47.79 69.19,47.69 69.12,47.61 69.04,47.55 68.95,47.51 68.86,47.47 68.75,47.45 68.64,47.42 68.52,47.39 68.39,47.35 68.37,46.7 69.02,46.72 69.07,46.86 69.12,46.98 69.17,47.08 69.21,47.18 69.3,47.36 69.34,47.46 69.39,47.57 69.45,47.7 69.5,47.87
Board_3-Net-(FB1-Pad1) on Top: 76.7,72.79 76.69,72.68 76.68,72.58 76.65,72.5 76.62,72.43 76.59,72.37 76.54,72.31 76.5,72.25 76.45,72.19 76.4,72.11 76.35,72.02 76.8,71.55 77.25,72.02 77.2,72.11 77.15,72.19 77.1,72.25 77.06,72.31 77.01,72.37 76.98,72.43 76.95,72.5 76.92,72.58 76.91,72.68 76.9,72.79
Board_4-+3V3 on In1.Cu, In2.Cu: 76.84,80.23 101.34,80.23 101.34,40.73 76.84,40.73
Board_4-+5V on Top: 96.82,71.71 96.9,71.88 96.99,72.01 97.08,72.11 97.19,72.17 97.3,72.22 97.42,72.26 97.55,72.29 97.69,72.32 97.84,72.37 98,72.44 97.91,73.57 96.78,73.43 96.74,73.23 96.72,73.07 96.71,72.92 96.71,72.78 96.71,72.65 96.7,72.51 96.69,72.37 96.66,72.21 96.62,72.03 96.54,71.82
Board_4-/0_TX0 on In1.Cu: 83.2,71.65 83.11,71.82 83.05,71.98 83.03,72.12 83.03,72.26 83.06,72.38 83.1,72.51 83.14,72.65 83.19,72.8 83.23,72.96 83.26,73.15 82.24,73.64 81.78,72.6 81.93,72.46 82.07,72.36 82.2,72.28 82.44,72.14 82.55,72.06 82.67,71.97 82.79,71.86 82.91,71.72 83.04,71.54
Board_4-/1_RX0 on In1.Cu: 83.39,69.24 83.33,69.45 83.3,69.64 83.28,69.8 83.28,69.95 83.28,70.08 83.29,70.22 83.3,70.36 83.3,70.51 83.28,70.68 83.25,70.88 82.12,71.03 82.01,69.9 82.17,69.83 82.32,69.79 82.47,69.75 82.61,69.72 82.73,69.69 82.85,69.64 82.95,69.57 83.05,69.48 83.13,69.35 83.2,69.17
Board_4-/2_SDA1 on Top: 83.52,61.71 83.42,61.91 83.36,62.08 83.33,62.24 83.31,62.38 83.31,62.51 83.31,62.64 83.31,62.78 83.3,62.93 83.28,63.1 83.24,63.3 82.1,63.4 82.04,62.27 82.21,62.2 82.37,62.16 82.52,62.13 82.66,62.11 82.79,62.09 82.91,62.05 83.02,61.99 83.13,61.91 83.24,61.78 83.34,61.62
Board_4-/3_SCL1 on Top: 83.53,59.18 83.45,59.38 83.39,59.56 83.35,59.71 83.33,59.85 83.33,59.99 83.32,60.12 83.32,60.26 83.31,60.4 83.28,60.57 83.23,60.76 82.1,60.86 82.05,59.72 82.22,59.66 82.38,59.62 82.53,59.6 82.67,59.58 82.81,59.56 82.93,59.53 83.05,59.47 83.16,59.39 83.26,59.26 83.35,59.09
Board_4-/4 on Top: 83.7,56.83 83.56,56.98 83.46,57.12 83.4,57.26 83.36,57.39 83.34,57.51 83.33,57.65 83.32,57.78 83.3,57.93 83.27,58.1 83.22,58.28 82.08,58.3 82.1,57.16 82.28,57.11 82.45,57.08 82.6,57.06 82.73,57.05 82.87,57.04 82.99,57.02 83.12,56.98 83.26,56.92 83.4,56.82 83.55,56.68
Board_4-/5 on Top: 83.91,54.66 83.74,54.73 83.61,54.81 83.51,54.9 83.44,55 83.4,55.12 83.36,55.24 83.33,55.38 83.29,55.52 83.24,55.68 83.18,55.84 82.04,55.72 82.21,54.59 82.41,54.56 82.58,54.54 82.73,54.54 82.87,54.55 83,54.56 83.14,54.57 83.29,54.57 83.45,54.56 83.64,54.53 83.86,54.47
Board_4-/6 on Top: 83.8,53.97 83.59,53.91 83.4,53.87 83.24,53.85 83.1,53.84 82.97,53.84 82.83,53.84 82.7,53.83 82.55,53.82 82.38,53.8 82.18,53.76 82.05,52.63 83.19,52.55 83.25,52.71 83.29,52.87 83.32,53.02 83.35,53.16 83.37,53.3 83.41,53.42 83.47,53.53 83.56,53.62 83.69,53.71 83.87,53.78
Board_4-/7 on In2.Cu: 84.08,50.76 83.89,50.7 83.73,50.69 83.6,50.7 83.47,50.74 83.36,50.8 83.25,50.87 83.14,50.95 83.01,51.03 82.87,51.11 82.7,51.19 81.95,50.33 82.84,49.62 83,49.72 83.14,49.83 83.25,49.93 83.34,50.03 83.44,50.13 83.53,50.22 83.64,50.31 83.78,50.4 83.94,50.49 84.15,50.57
Board_4-/8 on Top: 83.55,49.14 83.4,49 83.26,48.9 83.12,48.84 82.99,48.8 82.87,48.78 82.73,48.77 82.6,48.76 82.45,48.74 82.28,48.71 82.1,48.66 82.08,47.52 83.22,47.54 83.27,47.72 83.3,47.89 83.32,48.04 83.33,48.17 83.34,48.31 83.36,48.43 83.4,48.56 83.46,48.7 83.56,48.84 83.7,48.99
Board_4-/9 on Top: 83.3,46.75 83.22,46.57 83.13,46.45 83.03,46.36 82.92,46.3 82.79,46.26 82.66,46.24 82.52,46.22 82.37,46.19 82.21,46.15 82.04,46.09 82.11,44.96 83.24,45.07 83.28,45.26 83.31,45.43 83.32,45.58 83.33,45.72 83.33,45.85 83.33,45.98 83.35,46.13 83.37,46.29 83.42,46.47 83.49,46.68
Board_4-/10 on In2.Cu: 83.44,74.35 83.36,74.56 83.32,74.74 83.3,74.9 83.29,75.04 83.29,75.18 83.3,75.31 83.3,75.45 83.3,75.6 83.28,75.77 83.24,75.97 82.11,76.11 82.02,74.98 82.18,74.91 82.34,74.86 82.49,74.83 82.62,74.8 82.75,74.77 82.87,74.73 82.98,74.67 83.08,74.57 83.17,74.45 83.25,74.27